# Altium PCB 27-mitosis.PcbDoc (part 2 of 2) (continued)
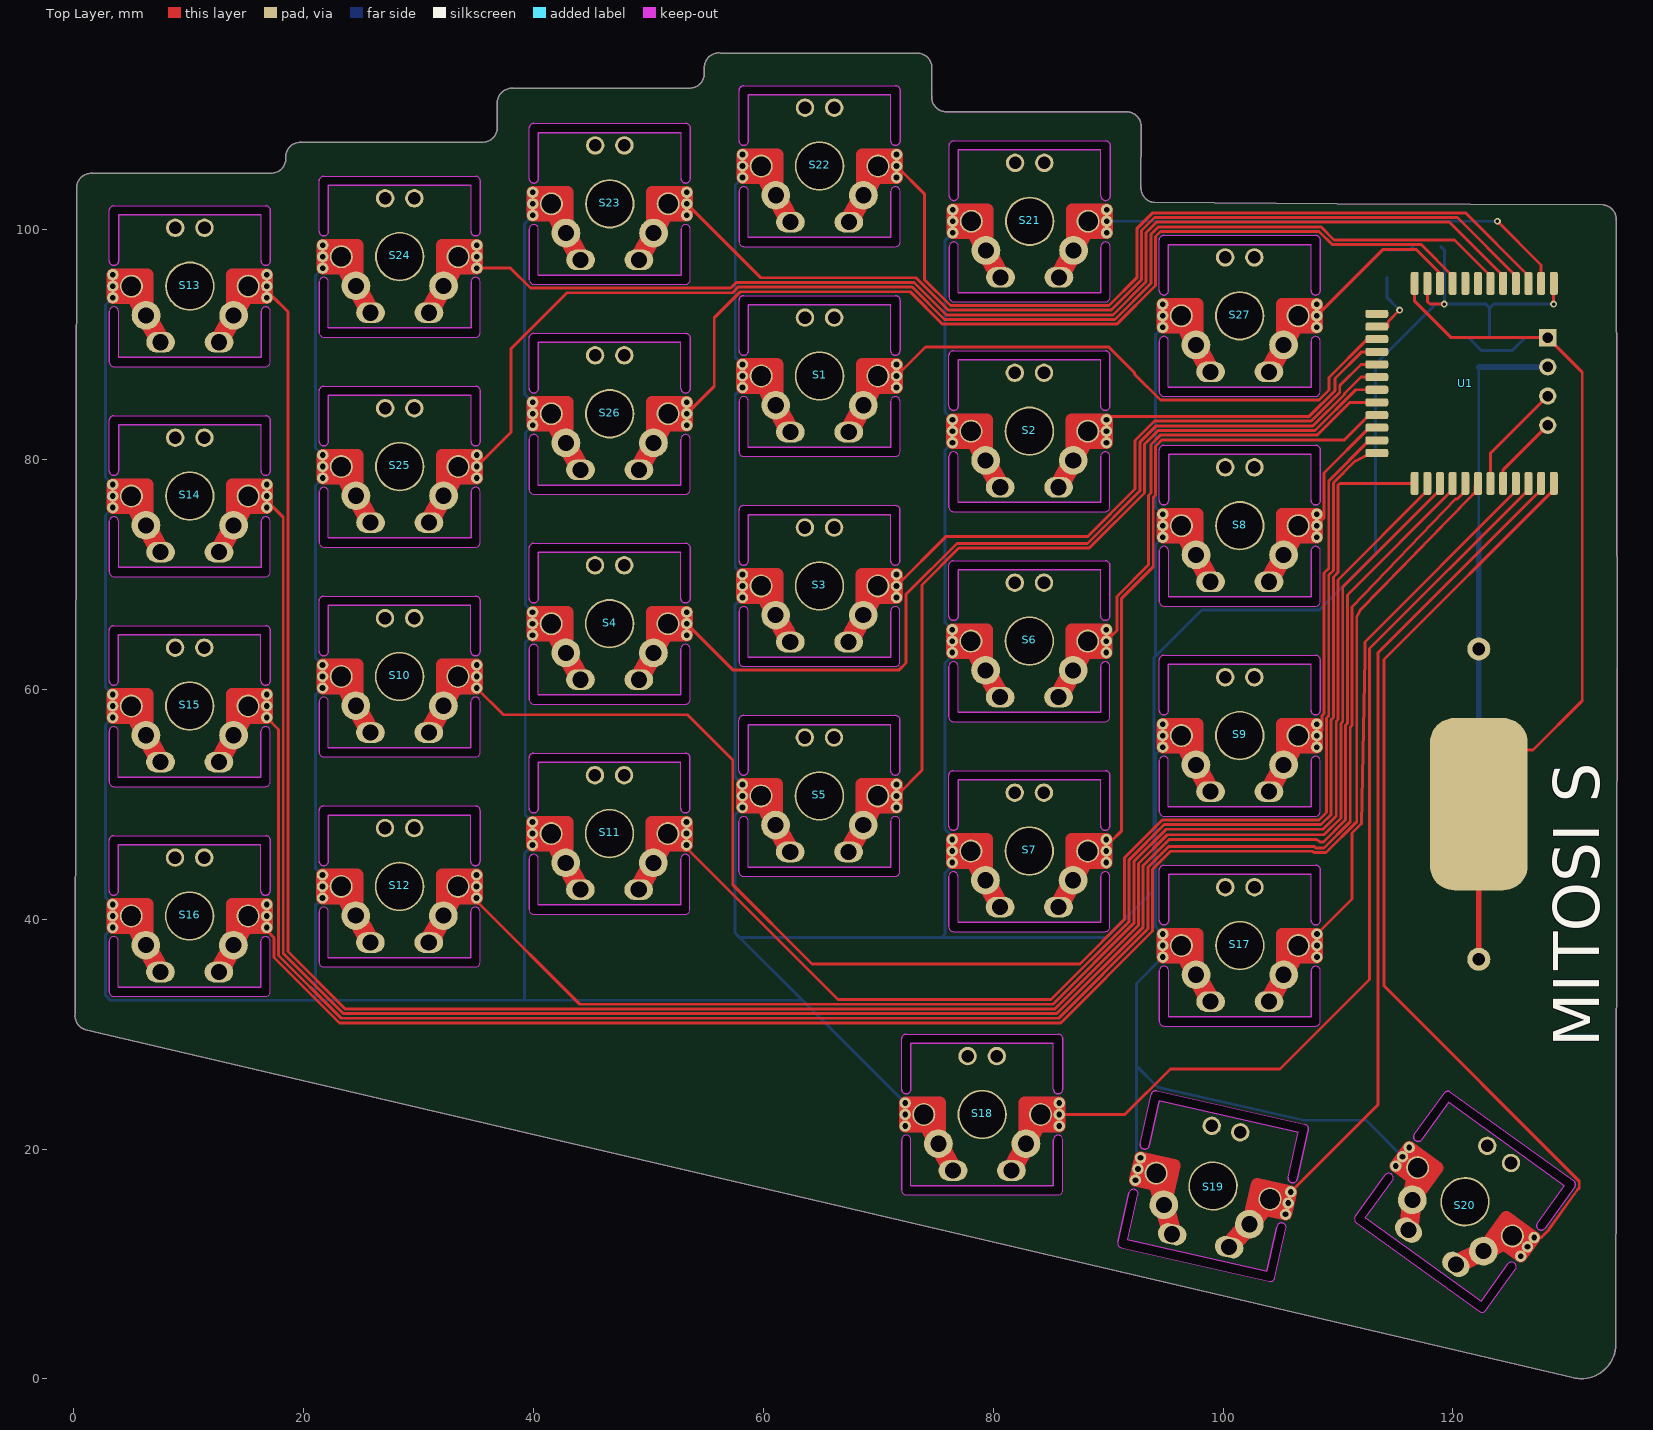
[diagram p0: Top Layer view]
## Keep-outs (continued)
; 57.889,44.119 57.889,48.519 ; 57.889,44.119 57.889,48.519 ; 57.889,48.519 cw(c58.289,48.519) 58.689,48.519 ; 57.889,48.519 cw(c58.289,48.519) 58.689,48.519 ; 57.889,52.919 ccw(c58.289,52.919) 58.689,52.919 ; 57.889,52.919 ccw(c58.289,52.919) 58.689,52.919 ; 57.889,52.919 57.889,57.319 ; 57.889,52.919 57.889,57.319 ; 57.889,57.319 cw(c58.289,57.319) 58.289,57.719 ; 57.889,57.319 cw(c58.289,57.319) 58.289,57.719 ; 57.895,62.382 ccw(c58.295,62.382) 58.295,61.982 ; 57.895,62.382 ccw(c58.295,62.382) 58.295,61.982 ; 57.895,62.382 57.895,66.782 ; 57.895,62.382 57.895,66.782 ; 57.895,66.782 cw(c58.295,66.782) 58.695,66.782 ; 57.895,66.782 cw(c58.295,66.782) 58.695,66.782 ; 57.895,71.182 ccw(c58.295,71.182) 58.695,71.182 ; 57.895,71.182 ccw(c58.295,71.182) 58.695,71.182 ; 57.895,71.182 57.895,75.582 ; 57.895,71.182 57.895,75.582 ; 57.895,75.582 cw(c58.295,75.582) 58.295,75.982 ; 57.895,75.582 cw(c58.295,75.582) 58.295,75.982 ; 57.9,80.645 ccw(c58.3,80.645) 58.3,80.245 ; 57.9,80.645 ccw(c58.3,80.645) 58.3,80.245 ; 57.9,80.645 57.9,85.045 ; 57.9,80.645 57.9,85.045 ; 57.9,85.045 cw(c58.3,85.045) 58.7,85.045 ; 57.9,85.045 cw(c58.3,85.045) 58.7,85.045 ; 57.9,89.445 ccw(c58.3,89.445) 58.7,89.445 ; 57.9,89.445 ccw(c58.3,89.445) 58.7,89.445 ; 57.9,89.445 57.9,93.845 ; 57.9,89.445 57.9,93.845 ; 57.9,93.845 cw(c58.3,93.845) 58.3,94.245 ; 57.9,93.845 cw(c58.3,93.845) 58.3,94.245 ; 57.906,98.908 ccw(c58.306,98.908) 58.306,98.508 ; 57.906,98.908 ccw(c58.306,98.908) 58.306,98.508 ; 57.906,98.908 57.906,103.308 ; 57.906,98.908 57.906,103.308 ; 57.906,103.308 cw(c58.306,103.308) 58.706,103.308 ; 57.906,103.308 cw(c58.306,103.308) 58.706,103.308 ; 57.906,107.708 ccw(c58.306,107.708) 58.706,107.708 ; 57.906,107.708 ccw(c58.306,107.708) 58.706,107.708 ; 57.906,107.708 57.906,112.108 ; 57.906,107.708 57.906,112.108 ; 57.906,112.108 cw(c58.306,112.108) 58.306,112.508 ; 57.906,112.108 cw(c58.306,112.108) 58.306,112.508 ; 58.289,43.719 71.489,43.719 ; 58.289,43.719 71.489,43.719 ; 58.289,57.719 71.489,57.719 ; 58.289,57.719 71.489,57.719 ; 58.295,61.982 71.495,61.982 ; 58.295,61.982 71.495,61.982 ; 58.295,75.982 71.495,75.982 ; 58.295,75.982 71.495,75.982 ; 58.3,80.245 71.5,80.245 ; 58.3,80.245 71.5,80.245 ; 58.3,94.245 71.5,94.245 ; 58.3,94.245 71.5,94.245 ; 58.306,98.508 71.506,98.508 ; 58.306,98.508 71.506,98.508 ; 58.306,112.508 71.506,112.508 ; 58.306,112.508 71.506,112.508 ; 58.689,44.519 58.689,48.519 ; 58.689,44.519 58.689,44.519 ; 58.689,44.519 71.089,44.519 ; 58.689,44.519 58.689,48.519 ; 58.689,44.519 71.089,44.519 ; 58.689,52.919 58.689,56.919 ; 58.689,52.919 58.689,56.919 ; 58.689,56.919 58.689,56.919 ; 58.689,56.919 71.089,56.919 ; 58.689,56.919 71.089,56.919 ; 58.695,62.782 58.695,66.782 ; 58.695,62.782 58.695,62.782 ; 58.695,62.782 71.095,62.782 ; 58.695,62.782 58.695,66.782 ; 58.695,62.782 71.095,62.782 ; 58.695,71.182 58.695,75.182 ; 58.695,71.182 58.695,75.182 ; 58.695,75.182 58.695,75.182 ; 58.695,75.182 71.095,75.182 ; 58.695,75.182 71.095,75.182 ; 58.7,81.045 58.7,85.045 ; 58.7,81.045 58.7,81.045 ; 58.7,81.045 71.1,81.045 ; 58.7,81.045 58.7,85.045 ; 58.7,81.045 71.1,81.045 ; 58.7,89.445 58.7,93.445 ; 58.7,89.445 58.7,93.445 ; 58.7,93.445 58.7,93.445 ; 58.7,93.445 71.1,93.445 ; 58.7,93.445 71.1,93.445 ; 58.706,99.308 58.706,103.308 ; 58.706,99.308 58.706,99.308 ; 58.706,99.308 71.106,99.308 ; 58.706,99.308 58.706,103.308 ; 58.706,99.308 71.106,99.308 ; 58.706,107.708 58.706,111.708 ; 58.706,107.708 58.706,111.708 ; 58.706,111.708 58.706,111.708 ; 58.706,111.708 71.106,111.708 ; 58.706,111.708 71.106,111.708 ; 71.089,44.519 71.089,44.519 ; 71.089,44.519 71.089,48.519 ; 71.089,44.519 71.089,48.519 ; 71.089,48.519 cw(c71.489,48.519) 71.889,48.519 ; 71.089,48.519 cw(c71.489,48.519) 71.889,48.519 ; 71.089,52.919 ccw(c71.489,52.919) 71.889,52.919 ; 71.089,52.919 ccw(c71.489,52.919) 71.889,52.919 ; 71.089,52.919 71.089,56.919 ; 71.089,52.919 71.089,56.919 ; 71.089,56.919 71.089,56.919 ; 71.095,62.782 71.095,62.782 ; 71.095,62.782 71.095,66.782 ; 71.095,62.782 71.095,66.782 ; 71.095,66.782 cw(c71.495,66.782) 71.895,66.782 ; 71.095,66.782 cw(c71.495,66.782) 71.895,66.782 ; 71.095,71.182 ccw(c71.495,71.182) 71.895,71.182 ; 71.095,71.182 ccw(c71.495,71.182) 71.895,71.182 ; 71.095,71.182 71.095,75.182 ; 71.095,71.182 71.095,75.182 ; 71.095,75.182 71.095,75.182 ; 71.1,81.045 71.1,81.045 ; 71.1,81.045 71.1,85.045 ; 71.1,81.045 71.1,85.045 ; 71.1,85.045 cw(c71.5,85.045) 71.9,85.045 ; 71.1,85.045 cw(c71.5,85.045) 71.9,85.045 ; 71.1,89.445 ccw(c71.5,89.445) 71.9,89.445 ; 71.1,89.445 ccw(c71.5,89.445) 71.9,89.445 ; 71.1,89.445 71.1,93.445 ; 71.1,89.445 71.1,93.445 ; 71.1,93.445 71.1,93.445 ; 71.106,99.308 71.106,99.308 ; 71.106,99.308 71.106,103.308 ; 71.106,99.308 71.106,103.308 ; 71.106,103.308 cw(c71.506,103.308) 71.906,103.308 ; 71.106,103.308 cw(c71.506,103.308) 71.906,103.308 ; 71.106,107.708 ccw(c71.506,107.708) 71.906,107.708 ; 71.106,107.708 ccw(c71.506,107.708) 71.906,107.708 ; 71.106,107.708 71.106,111.708 ; 71.106,107.708 71.106,111.708 ; 71.106,111.708 71.106,111.708 ; 71.489,43.719 ccw(c71.489,44.119) 71.889,44.119 ; 71.489,43.719 ccw(c71.489,44.119) 71.889,44.119 ; 71.489,57.719 cw(c71.489,57.319) 71.889,57.319 ; 71.489,57.719 cw(c71.489,57.319) 71.889,57.319 ; 71.495,61.982 ccw(c71.495,62.382) 71.895,62.382 ; 71.495,61.982 ccw(c71.495,62.382) 71.895,62.382 ; 71.495,75.982 cw(c71.495,75.582) 71.895,75.582 ; 71.495,75.982 cw(c71.495,75.582) 71.895,75.582 ; 71.5,80.245 ccw(c71.5,80.645) 71.9,80.645 ; 71.5,80.245 ccw(c71.5,80.645) 71.9,80.645 ; 71.5,94.245 cw(c71.5,93.845) 71.9,93.845 ; 71.5,94.245 cw(c71.5,93.845) 71.9,93.845 ; 71.506,98.508 ccw(c71.506,98.908) 71.906,98.908 ; 71.506,98.508 ccw(c71.506,98.908) 71.906,98.908 ; 71.506,112.508 cw(c71.506,112.108) 71.906,112.108 ; 71.506,112.508 cw(c71.506,112.108) 71.906,112.108 ; 71.889,44.119 71.889,48.519 ; 71.889,44.119 71.889,48.519 ; 71.889,52.919 71.889,57.319 ; 71.889,52.919 71.889,57.319 ; 71.895,62.382 71.895,66.782 ; 71.895,62.382 71.895,66.782 ; 71.895,71.182 71.895,75.582 ; 71.895,71.182 71.895,75.582 ; 71.9,80.645 71.9,85.045 ; 71.9,80.645 71.9,85.045 ; 71.9,89.445 71.9,93.845 ; 71.9,89.445 71.9,93.845 ; 71.906,98.908 71.906,103.308 ; 71.906,98.908 71.906,103.308 ; 71.906,107.708 71.906,112.108 ; 71.906,107.708 71.906,112.108 ; 72.05,16.4 ccw(c72.45,16.4) 72.45,16 ; 72.05,16.4 ccw(c72.45,16.4) 72.45,16 ; 72.05,16.4 72.05,20.8 ; 72.05,16.4 72.05,20.8 ; 72.05,20.8 cw(c72.45,20.8) 72.85,20.8 ; 72.05,20.8 cw(c72.45,20.8) 72.85,20.8 ; 72.05,25.2 ccw(c72.45,25.2) 72.85,25.2 ; 72.05,25.2 ccw(c72.45,25.2) 72.85,25.2 ; 72.05,25.2 72.05,29.6 ; 72.05,25.2 72.05,29.6 ; 72.05,29.6 cw(c72.45,29.6) 72.45,30 ; 72.05,29.6 cw(c72.45,29.6) 72.45,30 ; 72.45,16 85.65,16 ; 72.45,16 85.65,16 ; 72.45,30 85.65,30 ; 72.45,30 85.65,30 ; 72.85,16.8 72.85,20.8 ; 72.85,16.8 72.85,16.8 ; 72.85,16.8 85.25,16.8 ; 72.85,16.8 72.85,20.8 ; 72.85,16.8 85.25,16.8 ; 72.85,25.2 72.85,29.2 ; 72.85,25.2 72.85,29.2 ; 72.85,29.2 72.85,29.2 ; 72.85,29.2 85.25,29.2 ; 72.85,29.2 85.25,29.2 ; 73.542,115.32 cw(c73.414,114.056) 74.677,113.928 ; 73.542,115.32 cw(c73.414,114.056) 74.677,113.928 ; 74.659,111.641 ccw(c75.922,111.512) 75.794,110.249 ; 74.659,111.641 ccw(c75.922,111.512) 75.794,110.249 ; 74.659,111.641 74.677,113.928 ; 74.659,111.641 74.677,113.928 ; 75.794,110.249 91.742,110.22 ; 75.794,110.249 91.742,110.22 ; 76.148,39.32 ccw(c76.548,39.32) 76.548,38.92 ; 76.148,39.32 ccw(c76.548,39.32) 76.548,38.92 ; 76.148,39.32 76.148,43.72 ; 76.148,39.32 76.148,43.72 ; 76.148,43.72 cw(c76.548,43.72) 76.948,43.72 ; 76.148,43.72 cw(c76.548,43.72) 76.948,43.72 ; 76.148,48.12 ccw(c76.548,48.12) 76.948,48.12 ; 76.148,48.12 ccw(c76.548,48.12) 76.948,48.12 ; 76.148,48.12 76.148,52.52 ; 76.148,48.12 76.148,52.52 ; 76.148,52.52 cw(c76.548,52.52) 76.548,52.92 ; 76.148,52.52 cw(c76.548,52.52) 76.548,52.92 ; 76.153,57.583 ccw(c76.553,57.583) 76.553,57.183 ; 76.153,57.583 ccw(c76.553,57.583) 76.553,57.183 ; 76.153,57.583 76.153,61.983 ; 76.153,57.583 76.153,61.983 ; 76.153,61.983 cw(c76.553,61.983) 76.953,61.983 ; 76.153,61.983 cw(c76.553,61.983) 76.953,61.983 ; 76.153,66.383 ccw(c76.553,66.383) 76.953,66.383 ; 76.153,66.383 ccw(c76.553,66.383) 76.953,66.383 ; 76.153,66.383 76.153,70.783 ; 76.153,66.383 76.153,70.783 ; 76.153,70.783 cw(c76.553,70.783) 76.553,71.183 ; 76.153,70.783 cw(c76.553,70.783) 76.553,71.183 ; 76.159,75.846 ccw(c76.559,75.846) 76.559,75.446 ; 76.159,75.846 ccw(c76.559,75.846) 76.559,75.446 ; 76.159,75.846 76.159,80.246 ; 76.159,75.846 76.159,80.246 ; 76.159,80.246 cw(c76.559,80.246) 76.959,80.246 ; 76.159,80.246 cw(c76.559,80.246) 76.959,80.246 ; 76.159,84.646 ccw(c76.559,84.646) 76.959,84.646 ; 76.159,84.646 ccw(c76.559,84.646) 76.959,84.646 ; 76.159,84.646 76.159,89.046 ; 76.159,84.646 76.159,89.046 ; 76.159,89.046 cw(c76.559,89.046) 76.559,89.446 ; 76.159,89.046 cw(c76.559,89.046) 76.559,89.446 ; 76.185,94.108 ccw(c76.585,94.108) 76.585,93.708 ; 76.185,94.108 ccw(c76.585,94.108) 76.585,93.708 ; 76.185,94.108 76.185,98.508 ; 76.185,94.108 76.185,98.508 ; 76.185,98.508 cw(c76.585,98.508) 76.985,98.508 ; 76.185,98.508 cw(c76.585,98.508) 76.985,98.508 ; 76.185,102.908 ccw(c76.585,102.908) 76.985,102.908 ; 76.185,102.908 ccw(c76.585,102.908) 76.985,102.908 ; 76.185,102.908 76.185,107.308 ; 76.185,102.908 76.185,107.308 ; 76.185,107.308 cw(c76.585,107.308) 76.585,107.708 ; 76.185,107.308 cw(c76.585,107.308) 76.585,107.708 ; 76.548,38.92 89.748,38.92 ; 76.548,38.92 89.748,38.92 ; 76.548,52.92 89.748,52.92 ; 76.548,52.92 89.748,52.92 ; 76.553,57.183 89.753,57.183 ; 76.553,57.183 89.753,57.183 ; 76.553,71.183 89.753,71.183 ; 76.553,71.183 89.753,71.183 ; 76.559,75.446 89.759,75.446 ; 76.559,75.446 89.759,75.446 ; 76.559,89.446 89.759,89.446 ; 76.559,89.446 89.759,89.446 ; 76.585,93.708 89.785,93.708 ; 76.585,93.708 89.785,93.708 ; 76.585,107.708 89.785,107.708 ; 76.585,107.708 89.785,107.708 ; 76.948,39.72 76.948,43.72 ; 76.948,39.72 76.948,39.72 ; 76.948,39.72 89.348,39.72 ; 76.948,39.72 76.948,43.72 ; 76.948,39.72 89.348,39.72 ; 76.948,48.12 76.948,52.12 ; 76.948,48.12 76.948,52.12 ; 76.948,52.12 76.948,52.12 ; 76.948,52.12 89.348,52.12 ; 76.948,52.12 89.348,52.12 ; 76.953,57.983 76.953,61.983 ; 76.953,57.983 76.953,57.983 ; 76.953,57.983 89.353,57.983 ; 76.953,57.983 76.953,61.983 ; 76.953,57.983 89.353,57.983 ; 76.953,66.383 76.953,70.383 ; 76.953,66.383 76.953,70.383 ; 76.953,70.383 76.953,70.383 ; 76.953,70.383 89.353,70.383 ; 76.953,70.383 89.353,70.383 ; 76.959,76.246 76.959,80.246 ; 76.959,76.246 76.959,76.246 ; 76.959,76.246 89.359,76.246 ; 76.959,76.246 76.959,80.246 ; 76.959,76.246 89.359,76.246 ; 76.959,84.646 76.959,88.646 ; 76.959,84.646 76.959,88.646 ; 76.959,88.646 76.959,88.646 ; 76.959,88.646 89.359,88.646 ; 76.959,88.646 89.359,88.646 ; 76.985,94.508 76.985,98.508 ; 76.985,94.508 76.985,94.508 ; 76.985,94.508 89.385,94.508 ; 76.985,94.508 76.985,98.508 ; 76.985,94.508 89.385,94.508 ; 76.985,102.908 76.985,106.908 ; 76.985,102.908 76.985,106.908 ; 76.985,106.908 76.985,106.908 ; 76.985,106.908 89.385,106.908 ; 76.985,106.908 89.385,106.908 ; 85.25,16.8 85.25,16.8 ; 85.25,16.8 85.25,20.8 ; 85.25,16.8 85.25,20.8 ; 85.25,20.8 cw(c85.65,20.8) 86.05,20.8 ; 85.25,20.8 cw(c85.65,20.8) 86.05,20.8 ; 85.25,25.2 ccw(c85.65,25.2) 86.05,25.2 ; 85.25,25.2 ccw(c85.65,25.2) 86.05,25.2 ; 85.25,25.2 85.25,29.2 ; 85.25,25.2 85.25,29.2 ; 85.25,29.2 85.25,29.2 ; 85.65,16 ccw(c85.65,16.4) 86.05,16.4 ; 85.65,16 ccw(c85.65,16.4) 86.05,16.4 ; 85.65,30 cw(c85.65,29.6) 86.05,29.6 ; 85.65,30 cw(c85.65,29.6) 86.05,29.6 ; 86.05,16.4 86.05,20.8 ; 86.05,16.4 86.05,20.8 ; 86.05,25.2 86.05,29.6 ; 86.05,25.2 86.05,29.6 ; 89.348,39.72 89.348,39.72 ; 89.348,39.72 89.348,43.72 ; 89.348,39.72 89.348,43.72 ; 89.348,43.72 cw(c89.748,43.72) 90.148,43.72 ; 89.348,43.72 cw(c89.748,43.72) 90.148,43.72 ; 89.348,48.12 ccw(c89.748,48.12) 90.148,48.12 ; 89.348,48.12 ccw(c89.748,48.12) 90.148,48.12 ; 89.348,48.12 89.348,52.12 ; 89.348,48.12 89.348,52.12 ; 89.348,52.12 89.348,52.12 ; 89.353,57.983 89.353,57.983 ; 89.353,57.983 89.353,61.983 ; 89.353,57.983 89.353,61.983 ; 89.353,61.983 cw(c89.753,61.983) 90.153,61.983 ; 89.353,61.983 cw(c89.753,61.983) 90.153,61.983 ; 89.353,66.383 ccw(c89.753,66.383) 90.153,66.383 ; 89.353,66.383 ccw(c89.753,66.383) 90.153,66.383 ; 89.353,66.383 89.353,70.383 ; 89.353,66.383 89.353,70.383 ; 89.353,70.383 89.353,70.383 ; 89.359,76.246 89.359,76.246 ; 89.359,76.246 89.359,80.246 ; 89.359,76.246 89.359,80.246 ; 89.359,80.246 cw(c89.759,80.246) 90.159,80.246 ; 89.359,80.246 cw(c89.759,80.246) 90.159,80.246 ; 89.359,84.646 ccw(c89.759,84.646) 90.159,84.646 ; 89.359,84.646 ccw(c89.759,84.646) 90.159,84.646 ; 89.359,84.646 89.359,88.646 ; 89.359,84.646 89.359,88.646 ; 89.359,88.646 89.359,88.646 ; 89.385,94.508 89.385,94.508 ; 89.385,94.508 89.385,98.508 ; 89.385,94.508 89.385,98.508 ; 89.385,98.508 cw(c89.785,98.508) 90.185,98.508 ; 89.385,98.508 cw(c89.785,98.508) 90.185,98.508 ; 89.385,102.908 ccw(c89.785,102.908) 90.185,102.908 ; 89.385,102.908 ccw(c89.785,102.908) 90.185,102.908 ; 89.385,102.908 89.385,106.908 ; 89.385,102.908 89.385,106.908 ; 89.385,106.908 89.385,106.908 ; 89.748,38.92 ccw(c89.748,39.32) 90.148,39.32 ; 89.748,38.92 ccw(c89.748,39.32) 90.148,39.32 ; 89.748,52.92 cw(c89.748,52.52) 90.148,52.52 ; 89.748,52.92 cw(c89.748,52.52) 90.148,52.52 ; 89.753,57.183 ccw(c89.753,57.583) 90.153,57.583 ; 89.753,57.183 ccw(c89.753,57.583) 90.153,57.583 ; 89.753,71.183 cw(c89.753,70.783) 90.153,70.783 ; 89.753,71.183 cw(c89.753,70.783) 90.153,70.783 ; 89.759,75.446 ccw(c89.759,75.846) 90.159,75.846 ; 89.759,75.446 ccw(c89.759,75.846) 90.159,75.846 ; 89.759,89.446 cw(c89.759,89.046) 90.159,89.046 ; 89.759,89.446 cw(c89.759,89.046) 90.159,89.046 ; 89.785,93.708 ccw(c89.785,94.108) 90.185,94.108 ; 89.785,93.708 ccw(c89.785,94.108) 90.185,94.108 ; 89.785,107.708 cw(c89.785,107.308) 90.185,107.308 ; 89.785,107.708 cw(c89.785,107.308) 90.185,107.308 ; 90.148,39.32 90.148,43.72 ; 90.148,39.32 90.148,43.72 ; 90.148,48.12 90.148,52.52 ; 90.148,48.12 90.148,52.52 ; 90.153,57.583 90.153,61.983 ; 90.153,57.583 90.153,61.983 ; 90.153,66.383 90.153,70.783 ; 90.153,66.383 90.153,70.783 ; 90.159,75.846 90.159,80.246 ; 90.159,75.846 90.159,80.246 ; 90.159,84.646 90.159,89.046 ; 90.159,84.646 90.159,89.046 ; 90.185,94.108 90.185,98.508 ; 90.185,94.108 90.185,98.508 ; 90.185,102.908 90.185,107.308 ; 90.185,102.908 90.185,107.308 ; 90.847,11.892 ccw(c91.237,11.804) 91.148,11.414 ; 90.847,11.892 ccw(c91.237,11.804) 91.148,11.414 ; 90.847,11.892 91.821,16.183 ; 90.847,11.892 91.821,16.183 ; 91.148,11.414 104.02,8.489 ; 91.148,11.414 104.02,8.489 ; 91.715,12.105 92.602,16.006 ; 91.715,12.105 91.715,12.105 ; 91.715,12.105 103.807,9.358 ; 91.715,12.105 92.602,16.006 ; 91.715,12.105 103.807,9.358 ; 91.742,110.22 cw(c91.614,108.956) 92.877,108.828 ; 91.742,110.22 cw(c91.614,108.956) 92.877,108.828 ; 91.821,16.183 cw(c92.211,16.094) 92.602,16.006 ; 91.821,16.183 cw(c92.211,16.094) 92.602,16.006 ; 92.796,20.474 ccw(c93.186,20.385) 93.576,20.296 ; 92.796,20.474 ccw(c93.186,20.385) 93.576,20.296 ; 92.796,20.474 93.771,24.764 ; 92.796,20.474 93.771,24.764 ; 92.859,103.741 ccw(c94.122,103.612) 93.994,102.349 ; 92.859,103.741 ccw(c94.122,103.612) 93.994,102.349 ; 92.859,103.741 92.877,108.828 ; 92.859,103.741 92.877,108.828 ; 93.576,20.296 94.463,24.197 ; 93.576,20.296 94.463,24.197 ; 93.771,24.764 cw(c94.161,24.676) 94.25,25.066 ; 93.994,102.349 109.956,102.223 ; 93.994,102.349 109.956,102.223 ; 94.25,25.066 107.122,22.141 ; 94.25,25.066 107.122,22.141 ; 94.455,85.887 ccw(c94.855,85.887) 94.855,85.487 ; 94.455,85.887 ccw(c94.855,85.887) 94.855,85.487 ; 94.455,85.887 94.455,90.287 ; 94.455,85.887 94.455,90.287 ; 94.455,90.287 cw(c94.855,90.287) 95.255,90.287 ; 94.455,90.287 cw(c94.855,90.287) 95.255,90.287 ; 94.455,94.687 ccw(c94.855,94.687) 95.255,94.687 ; 94.455,94.687 ccw(c94.855,94.687) 95.255,94.687 ; 94.455,94.687 94.455,99.087 ; 94.455,94.687 94.455,99.087 ; 94.455,99.087 cw(c94.855,99.087) 94.855,99.487 ; 94.455,99.087 cw(c94.855,99.087) 94.855,99.487 ; 94.456,49.361 ccw(c94.856,49.361) 94.856,48.961 ; 94.456,49.361 ccw(c94.856,49.361) 94.856,48.961 ; 94.456,49.361 94.456,53.761 ; 94.456,49.361 94.456,53.761 ; 94.456,53.761 cw(c94.856,53.761) 95.256,53.761 ; 94.456,53.761 cw(c94.856,53.761) 95.256,53.761 ; 94.456,58.161 ccw(c94.856,58.161) 95.256,58.161 ; 94.456,58.161 ccw(c94.856,58.161) 95.256,58.161 ; 94.456,58.161 94.456,62.561 ; 94.456,58.161 94.456,62.561 ; 94.456,62.561 cw(c94.856,62.561) 94.856,62.961 ; 94.456,62.561 cw(c94.856,62.561) 94.856,62.961 ; 94.462,67.624 ccw(c94.862,67.624) 94.862,67.224 ; 94.462,67.624 ccw(c94.862,67.624) 94.862,67.224 ; 94.462,67.624 94.462,72.024 ; 94.462,67.624 94.462,72.024 ; 94.462,72.024 cw(c94.862,72.024) 95.262,72.024 ; 94.462,72.024 cw(c94.862,72.024) 95.262,72.024 ; 94.462,76.424 ccw(c94.862,76.424) 95.262,76.424 ; 94.462,76.424 ccw(c94.862,76.424) 95.262,76.424 ; 94.462,76.424 94.462,80.824 ; 94.462,76.424 94.462,80.824 ; 94.462,80.824 cw(c94.862,80.824) 94.862,81.224 ; 94.462,80.824 cw(c94.862,80.824) 94.862,81.224 ; 94.463,24.197 94.463,24.197 ; 94.463,24.197 106.554,21.45 ; 94.463,24.197 106.554,21.45 ; 94.466,31.096 ccw(c94.866,31.096) 94.866,30.696 ; 94.466,31.096 ccw(c94.866,31.096) 94.866,30.696 ; 94.466,31.096 94.466,35.496 ; 94.466,31.096 94.466,35.496 ; 94.466,35.496 cw(c94.866,35.496) 95.266,35.496 ; 94.466,35.496 cw(c94.866,35.496) 95.266,35.496 ; 94.466,39.896 ccw(c94.866,39.896) 95.266,39.896 ; 94.466,39.896 ccw(c94.866,39.896) 95.266,39.896 ; 94.466,39.896 94.466,44.296 ; 94.466,39.896 94.466,44.296 ; 94.466,44.296 cw(c94.866,44.296) 94.866,44.696 ; 94.466,44.296 cw(c94.866,44.296) 94.866,44.696 ; 94.855,85.487 108.055,85.487 ; 94.855,85.487 108.055,85.487 ; 94.855,99.487 108.055,99.487 ; 94.855,99.487 108.055,99.487 ; 94.856,48.961 108.056,48.961 ; 94.856,48.961 108.056,48.961 ; 94.856,62.961 108.056,62.961 ; 94.856,62.961 108.056,62.961 ; 94.862,67.224 108.062,67.224 ; 94.862,67.224 108.062,67.224 ; 94.862,81.224 108.062,81.224 ; 94.862,81.224 108.062,81.224 ; 94.866,30.696 108.066,30.696 ; 94.866,30.696 108.066,30.696 ; 94.866,44.696 108.066,44.696 ; 94.866,44.696 108.066,44.696 ; 95.255,86.287 95.255,90.287 ; 95.255,86.287 95.255,86.287 ; 95.255,86.287 107.655,86.287 ; 95.255,86.287 95.255,90.287 ; 95.255,86.287 107.655,86.287 ; 95.255,94.687 95.255,98.687 ; 95.255,94.687 95.255,98.687 ; 95.255,98.687 95.255,98.687 ; 95.255,98.687 107.655,98.687 ; 95.255,98.687 107.655,98.687 ; 95.256,49.761 95.256,53.761 ; 95.256,49.761 95.256,49.761 ; 95.256,49.761 107.656,49.761 ; 95.256,49.761 95.256,53.761 ; 95.256,49.761 107.656,49.761 ; 95.256,58.161 95.256,62.161 ; 95.256,58.161 95.256,62.161 ; 95.256,62.161 95.256,62.161 ; 95.256,62.161 107.656,62.161 ; 95.256,62.161 107.656,62.161 ; 95.262,68.024 95.262,72.024 ; 95.262,68.024 95.262,68.024 ; 95.262,68.024 107.662,68.024 ; 95.262,68.024 95.262,72.024 ; 95.262,68.024 107.662,68.024 ; 95.262,76.424 95.262,80.424 95.262,80.424 ; 95.262,76.424 95.262,80.424 ; 95.262,80.424 107.662,80.424 107.662,80.424 ; 95.262,80.424 107.662,80.424 ; 95.266,31.496 95.266,35.496 ; 95.266,31.496 95.266,31.496 ; 95.266,31.496 107.666,31.496 ; 95.266,31.496 95.266,35.496 ; 95.266,31.496 107.666,31.496 ; 95.266,39.896 95.266,43.896 ; 95.266,39.896 95.266,43.896 ; 95.266,43.896 95.266,43.896 ; 95.266,43.896 107.666,43.896 ; 95.266,43.896 107.666,43.896 ; 103.807,9.358 103.807,9.358 ; 103.807,9.358 104.693,13.259 ; 103.807,9.358 104.693,13.259 ; 104.02,8.489 ccw(c104.109,8.879) 104.499,8.791 ; 104.02,8.489 ccw(c104.109,8.879) 104.499,8.791 ; 104.499,8.791 105.474,13.081 ; 104.499,8.791 105.474,13.081 ; 104.693,13.259 cw(c105.083,13.17) 105.474,13.081 ; 104.693,13.259 cw(c105.083,13.17) 105.474,13.081 ; 105.668,17.549 ccw(c106.058,17.461) 106.448,17.372 ; 105.668,17.549 ccw(c106.058,17.461) 106.448,17.372 ; 105.668,17.549 106.554,21.45 ; 105.668,17.549 106.554,21.45 ; 106.448,17.372 107.423,21.663 ; 106.448,17.372 107.423,21.663 ; 106.554,21.45 106.554,21.45 ; 107.122,22.141 cw(c107.033,21.751) 107.423,21.663 ; 107.122,22.141 cw(c107.033,21.751) 107.423,21.663 ; 107.656,49.761 107.656,49.761 ; 107.656,49.761 107.656,53.761 ; 107.656,49.761 107.656,53.761 ; 107.656,53.761 cw(c108.056,53.761) 108.456,53.761 ; 107.656,53.761 cw(c108.056,53.761) 108.456,53.761 ; 107.656,58.161 ccw(c108.056,58.161) 108.456,58.161 ; 107.656,58.161 ccw(c108.056,58.161) 108.456,58.161 ; 107.656,58.161 107.656,62.161 ; 107.656,58.161 107.656,62.161 ; 107.656,62.161 107.656,62.161 ; 107.655,86.287 107.655,86.287 ; 107.655,86.287 107.655,90.287 ; 107.655,86.287 107.655,90.287 ; 107.655,90.287 cw(c108.055,90.287) 108.455,90.287 ; 107.655,90.287 cw(c108.055,90.287) 108.455,90.287 ; 107.655,94.687 ccw(c108.055,94.687) 108.455,94.687 ; 107.655,94.687 ccw(c108.055,94.687) 108.455,94.687 ; 107.655,94.687 107.655,98.687 ; 107.655,94.687 107.655,98.687 ; 107.655,98.687 107.655,98.687 ; 107.662,68.024 107.662,68.024 ; 107.662,68.024 107.662,72.024 ; 107.662,68.024 107.662,72.024 ; 107.662,72.024 cw(c108.062,72.024) 108.462,72.024 ; 107.662,72.024 cw(c108.062,72.024) 108.462,72.024 ; 107.662,76.424 ccw(c108.062,76.424) 108.462,76.424 ; 107.662,76.424 ccw(c108.062,76.424) 108.462,76.424 ; 107.662,76.424 107.662,80.424 ; 107.662,76.424 107.662,80.424 ; 107.666,31.496 107.666,31.496 ; 107.666,31.496 107.666,35.496 ; 107.666,31.496 107.666,35.496 ; 107.666,35.496 cw(c108.066,35.496) 108.466,35.496 ; 107.666,35.496 cw(c108.066,35.496) 108.466,35.496 ; 107.666,39.896 ccw(c108.066,39.896) 108.466,39.896 ; 107.666,39.896 ccw(c108.066,39.896) 108.466,39.896 ; 107.666,39.896 107.666,43.896 ; 107.666,39.896 107.666,43.896 ; 107.666,43.896 107.666,43.896 ; 108.056,48.961 ccw(c108.056,49.361) 108.456,49.361 ; 108.056,48.961 ccw(c108.056,49.361) 108.456,49.361 ; 108.056,62.961 cw(c108.056,62.561) 108.456,62.561 ; 108.056,62.961 cw(c108.056,62.561) 108.456,62.561 ; 108.055,85.487 ccw(c108.055,85.887) 108.455,85.887 ; 108.055,85.487 ccw(c108.055,85.887) 108.455,85.887 ; 108.055,99.487 cw(c108.055,99.087) 108.455,99.087 ; 108.055,99.487 cw(c108.055,99.087) 108.455,99.087 ; 108.062,67.224 ccw(c108.062,67.624) 108.462,67.624 ; 108.062,67.224 ccw(c108.062,67.624) 108.462,67.624 ; 108.062,81.224 cw(c108.062,80.824) 108.462,80.824 ; 108.062,81.224 cw(c108.062,80.824) 108.462,80.824 ; 108.066,30.696 ccw(c108.066,31.096) 108.466,31.096 ; 108.066,30.696 ccw(c108.066,31.096) 108.466,31.096 ; 108.066,44.696 cw(c108.066,44.296) 108.466,44.296 ; 108.066,44.696 cw(c108.066,44.296) 108.466,44.296 ; 108.456,49.361 108.456,53.761 ; 108.456,49.361 108.456,53.761 ; 108.456,58.161 108.456,62.561 ; 108.456,58.161 108.456,62.561 ; 108.455,85.887 108.455,90.287 ; 108.455,85.887 108.455,90.287 ; 108.455,94.687 108.455,99.087 ; 108.455,94.687 108.455,99.087 ; 108.462,67.624 108.462,72.024 ; 108.462,67.624 108.462,72.024 ; 108.462,76.424 108.462,80.824 ; 108.462,76.424 108.462,80.824 ; 108.466,31.096 108.466,35.496 ; 108.466,31.096 108.466,35.496 ; 108.466,39.896 108.466,44.296 ; 108.466,39.896 108.466,44.296 ; 109.956,102.223 133.068,102.134 ; 109.956,102.223 133.068,102.134 ; 111.51,14.151 ccw(c111.835,13.917) 111.601,13.592 ; 111.51,14.151 ccw(c111.835,13.917) 111.601,13.592 ; 111.51,14.151 114.084,17.719 ; 111.51,14.151 114.084,17.719 ; 111.601,13.592 122.307,5.871 ; 111.601,13.592 122.307,5.871 ; 112.393,14.007 114.733,17.251 ; 112.393,14.007 112.393,14.007 ; 112.393,14.007 122.45,6.754 ; 112.393,14.007 114.733,17.251 ; 112.393,14.007 122.45,6.754 ; 114.084,17.719 cw(c114.408,17.485) 114.733,17.251 ; 114.084,17.719 cw(c114.408,17.485) 114.733,17.251 ; 116.658,21.288 ccw(c116.982,21.054) 117.307,20.82 ; 116.658,21.288 ccw(c116.982,21.054) 117.307,20.82 ; 116.658,21.288 119.232,24.857 ; 116.658,21.288 119.232,24.857 ; 117.307,20.82 119.646,24.064 ; 117.307,20.82 119.646,24.064 ; 119.232,24.857 cw(c119.556,24.623) 119.79,24.947 ; 119.232,24.857 cw(c119.556,24.623) 119.79,24.947 ; 119.646,24.064 119.646,24.064 ; 119.646,24.064 129.704,16.811 ; 119.646,24.064 129.704,16.811 ; 119.79,24.947 130.496,17.226 ; 119.79,24.947 130.496,17.226 ; 122.307,5.871 ccw(c122.541,6.195) 122.865,5.961 ; 122.307,5.871 ccw(c122.541,6.195) 122.865,5.961 ; 122.45,6.754 122.45,6.754 ; 122.45,6.754 124.79,9.998 ; 122.45,6.754 124.79,9.998 ; 122.865,5.961 125.439,9.53 ; 122.865,5.961 125.439,9.53 ; 124.79,9.998 cw(c125.114,9.764) 125.439,9.53 ; 124.79,9.998 cw(c125.114,9.764) 125.439,9.53 ; 127.364,13.567 ccw(c127.688,13.333) 128.013,13.099 ; 127.364,13.567 ccw(c127.688,13.333) 128.013,13.099 ; 127.364,13.567 129.704,16.811 ; 127.364,13.567 129.704,16.811 ; 128.013,13.099 130.586,16.667 ; 128.013,13.099 130.586,16.667 ; 129.704,16.811 129.704,16.811 ; 130.347,0.137 ccw(c131.168,3.039) 134.168,2.734 ; 130.347,0.137 ccw(c131.168,3.039) 134.168,2.734 ; 130.496,17.226 cw(c130.262,16.901) 130.586,16.667 ; 130.496,17.226 cw(c130.262,16.901) 130.586,16.667 ; 133.068,102.134 cw(c132.94,100.871) 134.203,100.742 ; 133.068,102.134 cw(c132.94,100.871) 134.203,100.742 ; 134.168,2.734 134.277,61.828 ; 134.168,2.734 134.277,61.828 ; 134.203,100.742 134.277,61.828 ; 134.203,100.742 134.277,61.828 ; 40.051,109.226 53.251,109.226 40.051,109.226

## Silkscreen, mask and mechanical layers (free items; w line width, h text height)
Top Overlay:
  text "S" at 132.75,50.134 h4 r90
  text "TOSI" at 132.75,35.534 h4 r90
  text "MI" at 132.75,28.834 h4 r90
Bottom Overlay:
  text "MI" at 133.053,52.784 h4 r90
  text "TOSI" at 133.053,46.184 h4 r90
  text "S" at 133.053,31.484 h4 r90
Top Solder:
  lines w0.25: 101.129,7.918 102.124,7.817 ; 101.576,7.37 101.677,8.365
Bottom Solder:
  lines w0.25: 101.129,7.918 102.124,7.817
Mechanical 1:
  circle w0.254: c122.25,50 r11.6
  circle w0.1: c122.768,38.634 r10
  lines w0.254: 0.133,31.726 ccw(c1.396,31.598) 1.051,30.376 130.347,0.137 ccw(c131.168,3.039) 134.168,2.734 134.277,61.828 134.203,100.742 ccw(c132.94,100.871) 133.068,102.134 109.956,102.223 93.994,102.349 cw(c94.122,103.612) 92.859,103.741 92.877,108.828 ccw(c91.614,108.956) 91.742,110.22 75.794,110.249 cw(c75.922,111.512) 74.659,111.641 74.677,113.928 ccw(c73.414,114.056) 73.542,115.32 56.274,115.343 ccw(c56.146,114.08) 54.883,114.208 54.868,113.434 cw(c53.605,113.563) 53.476,112.299 38.26,112.269 ccw(c38.132,111.006) 36.868,111.134 36.868,108.734 cw(c35.605,108.863) 35.476,107.599 19.86,107.569 ccw(c19.732,106.306) 18.468,106.434 18.468,106.034 cw(c17.205,106.163) 17.076,104.899 1.66,104.869 ccw(c1.532,103.606) 0.268,103.734 0.133,31.726